# Altium PCB DeutschPCB.PcbDoc (part 1 of 2) (continued)
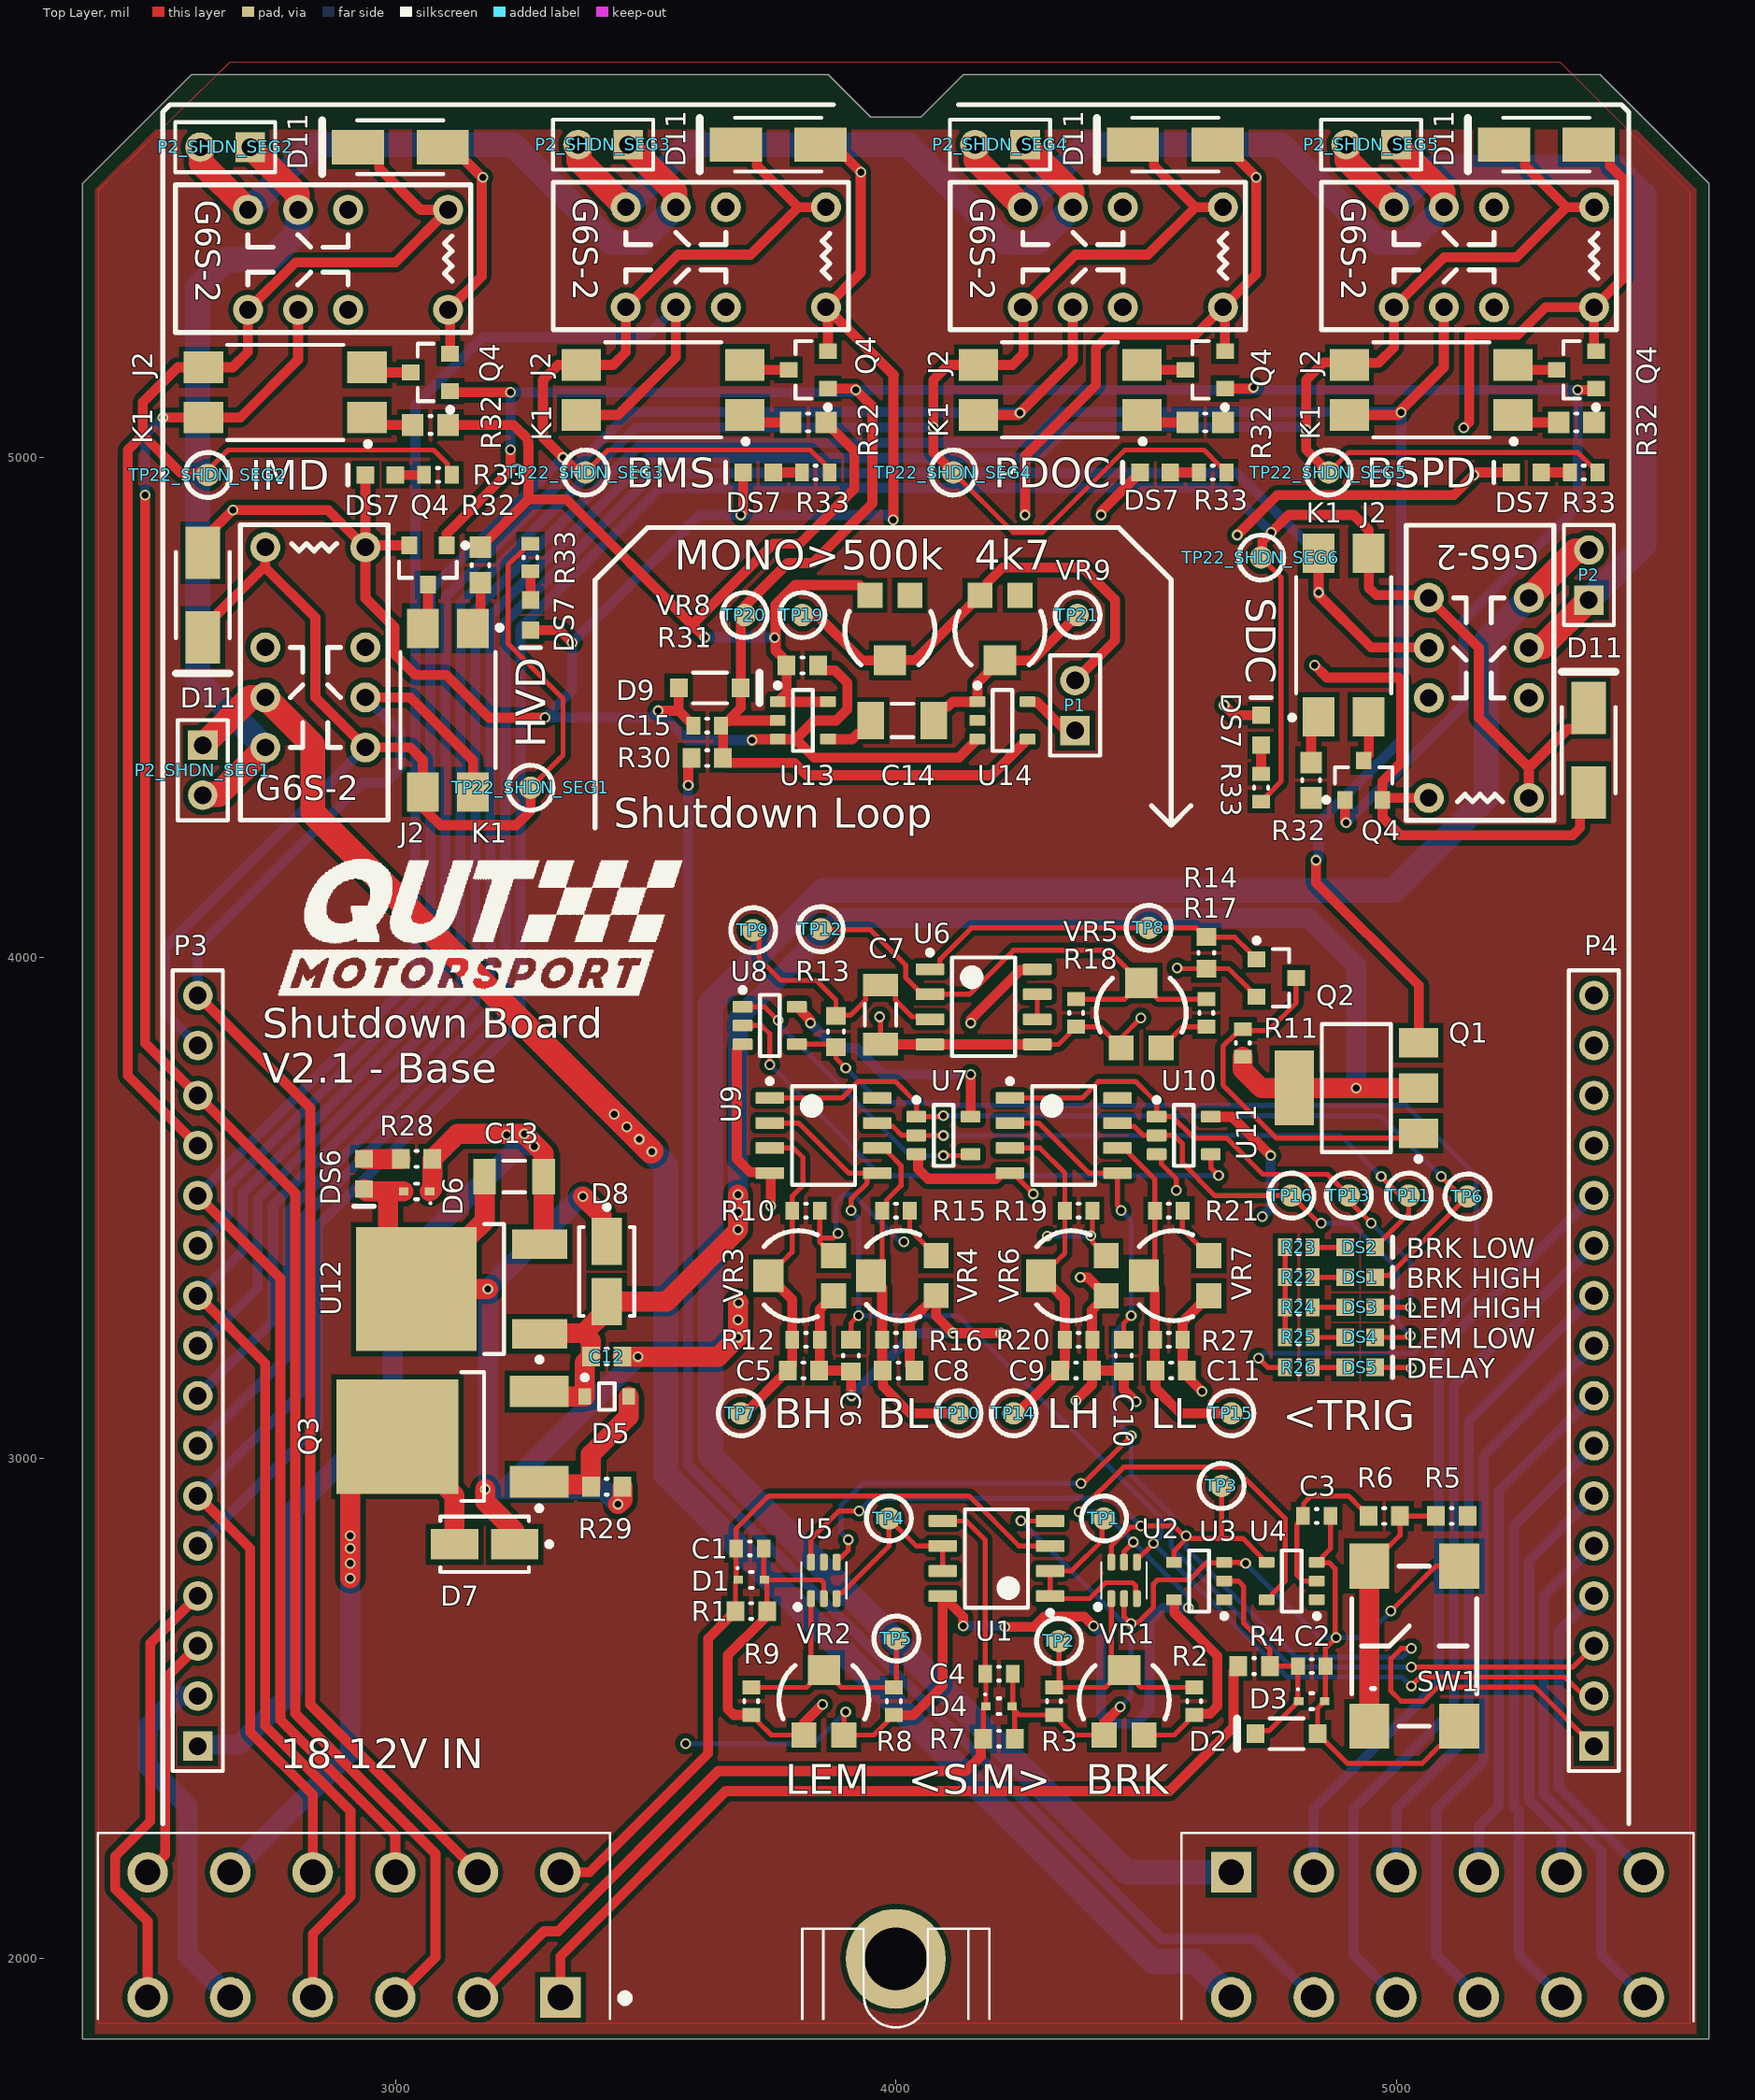
[diagram p0: Top Layer view]
## Components (designator, comment, footprint, x,y, rotation, side; value= is the part's Value field where it differs from the comment) (continued)
R33 "1K 5% 0603(1608)" RESC0603(1608)_L 4730,4340 r270 top value="1000.00 Ohm"
R33 "1K 5% 0603(1608)" RESC0603(1608)_L 5375,4970 r0 top value="1000.00 Ohm"
R33 "1K 5% 0603(1608)" RESC0603(1608)_L 4633.39,4970 r0 top value="1000.00 Ohm"
R33 "1K 5% 0603(1608)" RESC0603(1608)_L 3840,4970 r0 top value="1000.00 Ohm"
R33 "1K 5% 0603(1608)" RESC0603(1608)_L 3085,4965 r0 top value="1000.00 Ohm"
R33 "1K 5% 0603(1608)" RESC0603(1608)_L 3270,4800 r90 top value="1000.00 Ohm"
SW1 "Standard SMD BTN" StandardSMDBTN 5036.14,2624.76 r90 top
TP1 "TestPoint_SMD" TestPointSMD 4416.14,2879.76 r0 top
TP2 "TestPoint_SMD" TestPointSMD 4326.14,2634.76 r0 top
TP3 "TestPoint_SMD" TestPointSMD 4651.14,2944.76 r0 top
TP4 "TestPoint_SMD" TestPointSMD 3986.14,2879.76 r0 top
TP5 "TestPoint_SMD" TestPointSMD 4001.14,2639.76 r0 top
TP6 "TestPoint_SMD" TestPointSMD 5142.64,3523.29 r90 top
TP7 "TestPoint_SMD" TestPointSMD 3690.43,3090 r90 top
TP8 "TestPoint_SMD" TestPointSMD 4505.43,4060 r90 top
TP9 "TestPoint_SMD" TestPointSMD 3715,4055.31 r90 top
TP10 "TestPoint_SMD" TestPointSMD 4125.43,3090 r90 top
TP11 "TestPoint_SMD" TestPointSMD 5025,3525 r90 top
TP12 "TestPoint_SMD" TestPointSMD 3850,4057.29 r90 top
TP13 "TestPoint_SMD" TestPointSMD 4905.43,3525 r90 top
TP14 "TestPoint_SMD" TestPointSMD 4235.43,3090 r90 top
TP15 "TestPoint_SMD" TestPointSMD 4670.43,3090 r90 top
TP16 "TestPoint_SMD" TestPointSMD 4790.43,3525 r90 top
TP19 "TestPoint_SMD" TestPointSMD 3813.07,4685 r0 top
TP20 "TestPoint_SMD" TestPointSMD 3698.07,4685 r0 top
TP21 "TestPoint_SMD" TestPointSMD 4363.07,4685 r0 top
TP22_SHDN_SEG1 "TestPoint_SMD" TestPointSMD 3270,4340 r180 top (schematic designator TP22)
TP22_SHDN_SEG2 "TestPoint_SMD" TestPointSMD 2625,4965 r90 top (schematic designator TP22)
TP22_SHDN_SEG3 "TestPoint_SMD" TestPointSMD 3380,4970 r90 top (schematic designator TP22)
TP22_SHDN_SEG4 "TestPoint_SMD" TestPointSMD 4115,4970 r90 top (schematic designator TP22)
TP22_SHDN_SEG5 "TestPoint_SMD" TestPointSMD 4865.12,4970 r90 top (schematic designator TP22)
TP22_SHDN_SEG6 "TestPoint_SMD" TestPointSMD 4730,4800 r0 top (schematic designator TP22)
U1 "LM358AM" D0008A_N 4201.14,2799.76 r180 top
U2 "NC7SZ157P6X" FAIR-SC70-6_V 4430.55,2719.76 r0 top
U3 "SN74LVC1G17DBVR" DBV0005A_L 4606.14,2754.76 r180 top
U4 "SN74AHC1G14DBVR" DBV0005A_L 4791.14,2754.76 r180 top
U5 "NC7SZ157P6X" FAIR-SC70-6_V 3830.55,2719.76 r0 top
U6 "LM358AM" D0008A_N 4175.43,3902.24 r0 top
U7 "SN74AHC1G08DBVR" DBV0005A_N 4095.43,3645.2 r0 top
U8 "SN74AHC1G08DBVR" DBV0005A_N 3748.15,3864.84 r0 top
U9 "LM358AM" D0008A_N 3855.43,3645.1 r0 top
U10 "LM358AM" D0008A_N 4335.43,3645.1 r0 top
U11 "SN74AHC1G08DBVR" DBV0005A_N 4575.43,3645.2 r0 top
U12 "L78M05CDT" STM-TO252-3_A_V 3132.4,3338.29 r180 top
U13 "SN74AHC1G02DBVR" DBV0005A_L 3814.25,4474.37 r0 top
U14 "SN74AHC1G02DBVR" DBV0005A_L 4213.27,4474.37 r0 top
VR1 "4.7k Variable Resistor" VG039NCHXTB472 4456.34,2517.16 r0 top
VR2 "4.7k Variable Resistor" VG039NCHXTB472 3856.34,2517.16 r0 top
VR3 "4.7k Variable Resistor" VG039NCHXTB472 3805.43,3364.94 r90 top
VR4 "4.7k Variable Resistor" VG039NCHXTB472 4010.43,3365.1 r90 top
VR5 "4.7k Variable Resistor" VG039NCHXTB472 4490.43,3890 r0 top
VR6 "4.7k Variable Resistor" VG039NCHXTB472 4350.43,3364.94 r90 top
VR7 "4.7k Variable Resistor" VG039NCHXTB472 4555.43,3364.94 r90 top
VR8 "500k Variable Resistor" VG039NCHXTB472 3988.27,4654.37 r180 top
VR9 "4.7k Variable Resistor" VG039NCHXTB472 4208.27,4654.37 r180 top

## Footprints (in the part's own frame and the unit in brackets; to place one, negate y for a bottom-side part, rotate by r counter-clockwise, add the part's x,y. Pads: shape width x height; smd on the part's side, far side on the other; paste and mask are expansions set on the pad)
CAPC0603(1608)100_L [mm] "Chip Capacitor, Body 1.6x0.8mm, Height 1.0mm, IPC High Density"
  rect 0.7x0.9 smd: 1(-0.7,0) 2(0.7,0)
  silkscreen extent -0.05,-0.35 0.05,0.35, body extent -0.87,-0.47 0.88,0.48, height 1
CAPC0603(1608)100_N [mm] "Chip Capacitor, Body 1.6x0.8mm, Height 1.0mm, IPC Medium Density"
  rect 0.9x1 smd: 1(-0.8,0) 2(0.8,0)
  silkscreen extent -0.05,-0.4 0.05,0.4, body extent -0.87,-0.48 0.88,0.47, height 1
CAPC1206(3216)190_M [mm] "Chip Capacitor, Body 3.2x1.6mm, Height 1.9mm, IPC Low Density"
  rect 1.35x1.9 smd: 1(-1.6,0) 2(1.6,0)
  silkscreen extent -0.55,-0.85 0.55,0.85, body extent -1.7,-0.9 1.7,0.9, height 1.9
CAPC1206(3216)190_N [mm] "Chip Capacitor, Body 3.2x1.6mm, Height 1.9mm, IPC Medium Density"
  rect 1.15x1.8 smd: 1(-1.5,0) 2(1.5,0)
  silkscreen extent -0.55,-0.8 0.55,0.8, body extent -1.7,-0.9 1.7,0.9, height 1.9
D0008A_N [mm] "SOIC, 8-Leads, Body 5x4mm, Pitch 1.27mm, IPC Medium Density"
  rrect17% 1.45x0.6 smd: 1(-2.725,1.905) 2(-2.725,0.635) 3(-2.725,-0.635) 4(-2.725,-1.905) 5(2.725,-1.905) 6(2.725,-0.635) 7(2.725,0.635) 8(2.725,1.905)
  silkscreen extent -2.85,-2.5 1.6,2.88, body extent -3,-2.45 3,2.45, height 1.63
DBV0005A_L [mm] "SOT23, 5-Leads, Body 3.05x1.75mm, Pitch 0.95mm, IPC High Density"
  rrect18% 0.8x0.55 smd: 1(-1.275,0.95) 2(-1.275,0) 3(-1.275,-0.95) 4(1.275,-0.95) 5(1.275,0.95)
  silkscreen extent -1.4,-1.55 0.5,1.9, body extent -1.42,-1.46 1.42,1.46, height 1.08
DBV0005A_N [mm] "SOT23, 5-Leads, Body 3.05x1.75mm, Pitch 0.95mm, IPC Medium Density"
  rrect17% 1x0.6 smd: 1(-1.375,0.95) 2(-1.375,0) 3(-1.375,-0.95) 4(1.375,-0.95) 5(1.375,0.95)
  silkscreen extent -1.5,-1.55 0.5,1.92, body extent -1.42,-1.46 1.42,1.46, height 1.08
DIOD-SOD123_V [mm] "SMD, 2-Leads, Body 2.7x1.55mm"
  rect 0.9x0.95 smd: 1(-1.575,0) 2(1.575,0)
  silkscreen extent -0.86,-0.77 2.53,0.78, body extent -1.35,-0.77 1.35,0.77, height 1.41
FAIR-DO-214AC-2_V [mm] "DO-214, 2-Leads, Body 4.375x2.725mm"
  rect 2.65x1.75 smd: 1(-2.15,0) 2(2.15,0)
  silkscreen extent -2.19,-1.36 3.97,1.36, body extent -2.19,-1.36 2.19,1.36, height 2.5
FAIR-SC70-6_V [mm] "SC70, 6-Leads, Body 2x1.25mm, Pitch 0.65mm"
  rrect50% 0.4x0.85 smd: 1(0,0) 2(0.65,0) 3(1.3,0) 4(1.3,1.85) 5(0.65,1.85) 6(0,1.85)
  silkscreen extent -0.8,-0.55 1.8,1.85, body extent -0.43,-0.38 1.73,2.22, height 1.1
G6S-2 [mil]
  round 60 hole 35: 1(-250,-100) 3(-50,-100) 4(50,-100) 5(150,-100) 8(150,100) 9(50,100) 10(-50,100) 12(-250,100)
  silkscreen extent -295,-150 295,145, body extent -291,-145 291,142, height 362
HDR1X2 [mm] "Connector; Header; 2 Position"
  rect 1.5x1.5 hole 0.9: 1(0,0)
  round 1.5 hole 0.9: 2(2.54,0)
  silkscreen extent -1.27,-1.27 3.81,1.27
HDR1X16 [mm] "Connector; Header; 16 Position"
  rect 1.5x1.5 hole 0.9: 1(0,0)
  round 1.5 hole 0.9: 2(2.54,0) 3(5.08,0) 4(7.62,0) 5(10.16,0) 6(12.7,0) 7(15.24,0) 8(17.78,0) 9(20.32,0) 10(22.86,0) 11(25.4,0) 12(27.94,0) 13(30.48,0) 14(33.02,0) 15(35.56,0) 16(38.1,0)
  silkscreen extent -1.27,-1.27 39.37,1.27
"LED GREEN 0603" [mil]
  rect 35x35 smd: 1(-30,0) 2(30,0)
  silkscreen extent 65,-20 65,20, body extent -40,-20 40,20, height 30
"LED ORANGE 0603" [mil]
  rect 35x35 smd: 1(-30,0) 2(30,0)
  silkscreen extent 65,-20 65,20, body extent -40,-20 40,20, height 30
"LED RED 0603" [mil]
  rect 35x35 smd: 1(-30,0) 2(30,0)
  silkscreen extent 65,-20 65,20, body extent -40,-20 40,20, height 30
ONSC-DPAK-3-369C-01_V [mm] "DPAK, 3-Leads, Body 6.54x6.095mm, Pitch 2.29mm"
  rect 3x1.6 smd: 1(-4.4,2.29) 3(-4.4,-2.29)
  rect 6.2x5.8 smd: 4(2.8,0)
  silkscreen extent -4.53,-3.27 -0.45,3.76, body extent -1.6,-3.27 4.49,3.27, height 2.38
ONSC-SOD-323-2-477-02_V [mm] "SOD, 2-Leads, Body 1.7x1.25mm"
  rect 0.63x0.83 smd: 1(-1.115,0) 2(1.115,0)
  silkscreen extent -1.24,-0.68 0.4,1.09, body extent -0.85,-0.63 0.85,0.63, height 1.06
ONSC-SOD-523-2-502-01_V [mm] "SOD, 2-Leads, Body 1.2x0.8mm"
  rect 0.48x0.4 smd: 1(-0.66,0) 2(0.66,0)
  silkscreen extent -0.75,-0.4 0.07,0.65, body extent -0.6,-0.4 0.6,0.4, height 0.7
ONSC-SOT-23-3-318-08_V [mm] "SOT23, 3-Leads, Body 2.92x1.3mm, Pitch 0.95mm"
  rect 0.9x0.8 smd: 1(-1,0.95) 2(-1,-0.95) 3(1,0)
  silkscreen extent -1.12,-1.46 0.65,2.02, body extent -0.65,-1.46 0.65,1.46, height 1.11
ONSC-SOT-223-4-318E-04_V [mm] "SOT223, 4-Leads, Body 6.5x3.5mm, Pitch 2.3mm"
  rect 2x1.5 smd: 1(-3.15,2.3) 2(-3.15,0) 3(-3.15,-2.3)
  rect 2x3.8 smd: 4(3.15,0)
  silkscreen extent -3.27,-3.25 1.75,3.72, body extent -1.75,-3.25 1.75,3.25, height 1.75
PNSC-DIP4(SMT)_V [mm] "DIP(SMT), 4-Leads, Body 6.4x4.78mm, Pitch 2.54mm"
  rect 2x1.6 smd: 1(-4.15,1.27) 2(-4.15,-1.27) 3(4.15,-1.27) 4(4.15,1.27)
  silkscreen extent -4.31,-2.42 2.95,2.74, body extent -3.22,-2.41 3.22,2.41, height 3
RESC0603(1608)_L [mm]
  rect 0.7x0.9 smd: 1(-0.7,0) 2(0.7,0)
  silkscreen extent -0.05,-0.35 0.05,0.35, body extent -0.85,-0.47 0.85,0.47, height 0.6
RESC0603(1608)_M [mm] "Chip Resistor, Body 1.6x0.8mm, IPC Low Density"
  rect 1.1x1.1 smd: 1(-0.9,0) 2(0.9,0)
  silkscreen extent -0.05,-0.45 0.05,0.45, body extent -0.85,-0.47 0.85,0.47, height 0.6
RESC0603(1608)_N [mm] "Chip Resistor, Body 1.6x0.8mm, IPC Medium Density"
  rect 0.9x1 smd: 1(-0.8,0) 2(0.8,0)
  silkscreen extent -0.05,-0.4 0.05,0.4, body extent -0.85,-0.47 0.85,0.47, height 0.6
StandardSMDBTN [mil] "https://lcsc.com/product-detail/Tactile-Switches_BRIGHT-TSA063G50-250_C294565.html"
  rect 90x80 smd: 1(-160,90) 2(160,90) 3(-160,-90) 4(160,-90)
  silkscreen extent -160,-125 160,125, body extent -120,-120 120,120, height 205
STM-TO252-3_A_V [mm] "D-PAK, 3-Leads, Body 6.20x6.60mm, Pitch 2.28mm"
  rect 2.8x1.5 smd: 1(-3.95,2.28) 3(-3.95,-2.28)
  rect 6.1x6.3 smd: 4(2.3,0)
  silkscreen extent -4.08,-3.3 -1.15,3.7, body extent -3.37,-3.3 6.35,3.3, height 2.43
TestPointSMD [mil]
  round 45 smd: 1(0,0)
  silkscreen extent -45,-45 45,45
VG039NCHXTB472 [mil] "VG039NCHXTB472"
  rect 50x50 smd: 1(40,-70) 3(-40,-70)
  rect 65x60 smd: 2(0,60)
  silkscreen extent -90,-38 90,69, body extent -60,-75 60,75, height 50
VISH-DO-214AC-2_N [mm] "DO-214AC, 2-Leads, Body 4.5x2.79mm, IPC Medium Density"
  rect 2.4x1.55 smd: 1(-1.525,0) 2(1.525,0)
  silkscreen extent -3.4,-1.4 2.25,1.4, body extent -2.25,-1.4 2.25,1.39, height 2.29

## Part data
C1 C2 C3 C4 C5 C6 C8 C9 C10 C11 C12 C15: library part CMP-1035-02591-1, "CAP 100nF 50V ±5% 0603 (1608 Metric) Thickness 1mm SMD", Case-EIA=0603, Case-Metric=1608, Rated Voltage="50 V", Tolerance=±5%, Max Thickness="1 mm", Technology=SMT
C7 C13 C14: library part CMP-1037-04982-1, "CAP 10uF 50V ±10% 1206 (3216 Metric) Thickness 1.9mm SMD", Case-EIA=1206, Case-Metric=3216, Rated Voltage="50 V", Tolerance=±10%, Max Thickness="1.9 mm", Technology=SMT
D1 D3 D4 D6: library part CMP-1063-00102-1, "Transient Voltage Suppressor, Micro-Packaged Diode for ESD Protection, 2-Pin SOD-523, Pb-Free, Tape and Reel", Manufacturer="On Semiconductor", ComponentLink1Description="Manufacturer URL", ComponentLink1URL=http://www.onsemi.com/, ComponentLink2Description=Datasheet, ComponentLink2URL=http://www.onsemi.cn/pub_link/Collateral/ESD5Z2.5T1-D.PDF, ComponentLink3Description="Package Specification", ComponentLink3URL=http://www.onsemi.com/pub_link/Collateral/502-01.PDF, DatasheetVersion="Rev. 10", Direction=Unidirectional, IR Max (uA)=0.05, Mounting Technology="Surface Mount", Number of Lines=1, PackageDescription="2-Pin SOD, Body 1.2 x 0.8 mm", PackageReference=SOD-523-2-502-01, PackageVersion="Rev. E, 09/2010", Packing="Tape and Reel", PartNumber=ESD5Z5.0T1G, PPK Max (W)=174, RoHS=Pb-Free, V(BR) Min (V)=6.2, VRWM Max (V)=5
D2 D9: library part CMP-2000-05976-1, "Surface Mount Zener Diode, 5.1 V, -65 to 150 degC, 2-Pin SMD (SOD-123), RoHS, Tape and Reel", Ir - Reverse Current=2uA, Manufacturer=DiodesIncorporated, Maximum Operating Temperature=+150C, Minimum Operating Temperature=-65C, Package / Case=SOD-123, Package Description="2-Pin Surface Mount Device, Body 2.7 x 1.55 mm", Package Reference=SOD123, Pd - Power Dissipation=500mW, Voltage Temperature Coefficient=-0.75mV/C, Voltage Tolerance=6%, Vz - Zener Voltage=5.1V, Zener Current=5mA, Brand=DiodesIncorporated, Configuration=Single, Datasheet URL=http://www.diodes.com/_files/datasheets/ds18004.pdf, Datasheet Version="Rev. 37-2, 09/2012", Factory Pack Quantity=3000, Height=1.35mm, Length=2.85mm, Manufacturer URL=http://www.diodes.com/, Mounting Style=SMD/SMT, Mounting Technology=SurfaceMount, Packaging=Reel, Product Category=ZenerDiodes, RoHS=True, Series=BZT52C5, Termination Style=SMD/SMT, Unit Weight=0.000353oz, Width=1.7mm, Zz - Zener Impedance=60Ohms
D5: library part CMP-1060-00715-1, "Zener Voltage Regulator, 300 mW, 2-Pin SOD-323, Pb-Free, Tape and Reel", Manufacturer="On Semiconductor", ComponentLink1Description="Manufacturer URL", ComponentLink1URL=http://www.onsemi.com/, ComponentLink2Description=Datasheet, ComponentLink2URL=http://www.onsemi.cn/pub_link/Collateral/MM3Z2V4T1-D.PDF, ComponentLink3Description="Package Specification", ComponentLink3URL=http://www.onsemi.com/pub_link/Collateral/477-02.PDF.1, DatasheetVersion="Rev. 9", Mounting Technology="Surface Mount", PackageDescription="2-Pin SOD, Body 1.7 x 1.25 mm", PackageReference=SOD-323-2-477-02, PackageVersion="Rev. H, 03/2007", Packing="Tape and Reel", PartNumber=MM3Z10VT1G, P Max (W)=0.3, RoHS=Pb-Free, VZ Typ (V)=10
D7 D8: library part CMP-0548-00180-2, "Transient Voltage Suppressor, 6.40 to 231 V, 18 V Stand-off Voltage, Bi-Directional, -55 to 155 degC, 2-pin DO-214AC, Pb-Free, Tape and Reel", Manufacturer="Vishay Semiconductor", Operating Junction and Storage Temperature Range="-55 to 150 degC", ComponentLink1Description="Manufacturer URL", ComponentLink1URL=http://www.vishay.com/, ComponentLink2Description=Datasheet, ComponentLink2URL=http://www.vishay.com/docs/88390/smaj50a.pdf, ComponentLink3Description="Package Specification", ComponentLink3URL=http://www.vishay.com/docs/88390/smaj50a.pdf, DatasheetVersion=12/8/2013, ID (uA)=2, IFSM="40 A", Mounting Technology="Surface Mount", PackageDescription="2-Pin DO-214AC (SMA), Body 4.245 x 2.665 mm", PackageReference=DO-214AC-2, Packing="Tape and Reel", PartNumber=SMAJ18CA-E3/61, PPPM (W)="400, 300", RoHS=TRUE, VBR Bi-Directional (V)="6.4 to 231", VWM (V)=18
D11 D11 D11 D11 D11 D11: library part CMP-2000-04942-2, "General Purpose Rectifier, 1 A, 1000 V, -55 to 150 degC, 2-Pin DO-214AC, RoHS, Tape and Reel", Alternate Case Style=DO-214AC, Current If @ Vf=1A, Current Ifsm=30A, Forward Voltage=1V, Junction Temperature Tj Max=150degC, Manufacturer=Fairchild, Operating Temperature Min=-55degC, Operating Temperature Range=-55degCto+150degC, Package / Case=SMA, Package Description="2-Pin Surface Mount Device, Body 4.375 x 2.725 mm", Package Reference=DO-214AC-2, Repetitive Reverse Voltage Vrrm Max=1kV, Datasheet URL=https://datasheet.ciiva.com/4452/s1m-191340-4452980.pdf, Datasheet Version="Rev. 1.1.2, 10/2013", Diode Case Style=DO-214AC, Diode Configuration=Single, Diode Polarity=Cathode, Diode Type=StandardRecovery, External Depth=2.79mm, External Length / Height=2.44mm, External Width=5.28mm, Forward Current If(AV)=1A, Forward Surge Current Ifsm Max=30A, Forward Voltage VF Max=1V, Manufacturer URL=https://www.fairchildsemi.com/, No. of Pins=2, Operating Temperature Max=150degC, Package URL=https://www.fairchildsemi.com/package-drawings/DO/DO214AC.pdf, Reel Quantity=7500, Reverse Recovery Time trr Max=1.8µs, Reverse Recovery Time trr Typ=1.8µs, SMD Marking=1M, SVHC=NoSVHC(19-Dec-2012), Tape Width=12mm, Termination Type=SMD
DS1 DS2 DS3 DS4 DS5: library part "LED RED 0603"
DS6: library part "LED GREEN 0603"
DS7 DS7 DS7 DS7 DS7 DS7: library part "LED ORANGE 0603"
J2 J2 J2 J2 J2 J2: "Telecom Non Latching 12VDC DPDT 2A Through Hole Relays RoHS", ComponentLink1Description=LCSC, ComponentLink1URL=https://lcsc.com/product-detail/Relays_OMRON_G6S-2-12V_G6S-2-12V_C28410.html
K1 K1 K1 K1 K1 K1: library part CMP-1346-00006-1, "PhotoMOS GE 1 Form A, 60 V Load Voltage, 0.55 A Continuous Load Current, -40 to 85 degC, 4-Pin DIP(SMT), Tube, RoHS", Continuous Load Current="0.55 A", Load Voltage="60 V", Manufacturer=Panasonic, On Resistance (Typ)="0.85 Ohm", ComponentLink1Description="Manufacturer URL", ComponentLink1URL=http://www3.panasonic.biz/ac/ae/index.jsp, ComponentLink2Description=Datasheet, ComponentLink2URL=http://www3.panasonic.biz/ac/e_download/control/relay/photomos/catalog/semi_eng_ge1a_aqy21_e.pdf, ComponentLink3Description="Package Specification", ComponentLink3URL=http://www3.panasonic.biz/ac/e_download/control/relay/photomos/catalog/semi_eng_dimensions.pdf?f_cd=401560, DatasheetVersion=201404-T, Mounting Technology="Surface Mount", PackageDescription="4-Pin Surface Mount Terminal Package, Body 4.78 x 6.4 mm, Pitch 2.54mm", PackageReference=DIP4(SMT), PackageVersion="ASCTB67E, 04/2014", Packing=Tube, PartNumber=AQY212EHA, Pb-Free=True, RoHS=True, Series="PhotoMOS GE 1 Form A"
P1 P2 P2_SHDN_SEG1 P2_SHDN_SEG2 P2_SHDN_SEG3 P2_SHDN_SEG4 P2_SHDN_SEG5: "Header, 2-Pin", LatestRevisionDate=17-Jul-2002, LatestRevisionNote="Re-released for DXP Platform.", Publisher="Altium Limited"
P3 P4: "Header, 16-Pin", LatestRevisionDate=17-Jul-2002, LatestRevisionNote="Re-released for DXP Platform.", Publisher="Altium Limited"
Q1: library part CMP-1058-00728-1, "Power MOSFET, -60 V, -2.6 A, Single P-Channel, 4-Pin SOT-223, Pb-Free, Tape and Reel", Manufacturer="On Semiconductor", Package Type="SOT-223-4 / TO-261-4", Channel Polarity="P Channel", Ciss Typ (pF)=492, ComponentLink1Description="Manufacturer URL", ComponentLink1URL=http://www.onsemi.com/, ComponentLink2Description=Datasheet, ComponentLink2URL=http://www.onsemi.com/pub_link/Collateral/NTF2955-D.PDF, ComponentLink3Description="Package Specification", ComponentLink3URL=http://www.onsemi.com/pub_link/Collateral/318E-04.PDF, Configuration=Single, Coss Typ (pF)=165, Crss Typ (pF)=50, DatasheetVersion="Rev. 6", ID Max (A)=2.6, Mounting Technology="Surface Mount", PackageDescription="4-Pin Small Outline Transistor, Body 6.5 x 3.5 mm, Pitch 2.3 mm", PackageReference=SOT-223-4-318E-04, PackageVersion="Rev. N, 08/2009", Packing="Tape and Reel", PartNumber=NTF2955T1G, Qrr Typ (nC)=0.139, RoHS=Pb-Free, V(BR)DSS Min (V)=60, VGS(th) Max (V)=4, VGS Max (V)=20
Q2 Q4 Q4 Q4 Q4 Q4 Q4: library part CMP-1058-00774-1, "Power MOSFET, 60 V, 155 mOhm, Single N-Channel Logic Level, 3-Pin SOT-23, Pb-Free, Tape and Reel", Manufacturer="On Semiconductor", Package Type=SOT-23-3, Channel Polarity="N Channel", Ciss Typ (pF)=182, ComponentLink1Description="Manufacturer URL", ComponentLink1URL=http://www.onsemi.com/, ComponentLink2Description=Datasheet, ComponentLink2URL=http://www.onsemi.com/pub_link/Collateral/NVR5198NL-D.PDF, ComponentLink3Description="Package Specification", ComponentLink3URL=http://www.onsemi.cn/pub_link/Collateral/318-08.PDF, Configuration=Single, Coss Typ (pF)=25, Crss Typ (pF)=16, DatasheetVersion="Rev. 1", ID Max (A)=2.2, Mounting Technology="Surface Mount", PackageDescription="3-Pin Small Outline Transistor, Body 2.92 x 1.3 mm, Pitch 0.95 mm", PackageReference=SOT-23-3-318-08, PackageVersion="Rev. AP, 11/2009", Packing="Tape and Reel", PartNumber=NVR5198NLT1G, Qrr Typ (nC)=6, RoHS=Pb-Free, V(BR)DSS Min (V)=60, VGS(th) Max (V)=2.5, VGS Max (V)=20
Q3: library part CMP-1058-00390-1, "Power MOSFET, -60 V, -12 A, P-Channel, 3-Pin DPAK, Pb-Free, Tape and Reel", Manufacturer="On Semiconductor", Package Type="DPAK-3, IPAK-4", PartNumber=NTD2955T4G, Channel Polarity="P Channel", Ciss Typ (pF)=500, ComponentLink1Description="Manufacturer URL", ComponentLink1URL=http://www.onsemi.com/, ComponentLink2Description=Datasheet, ComponentLink2URL=http://www.onsemi.cn/pub_link/Collateral/NTD2955-D.PDF, ComponentLink3Description="Package Specification", ComponentLink3URL=http://www.onsemi.cn/pub_link/Collateral/369C.PDF, Configuration=Single, Coss Typ (pF)=150, Crss Typ (pF)=50, DatasheetVersion="Rev. 13", ID Max (A)=12, Mounting Technology="Surface Mount", PackageDescription="3-Pin Flange Mount, Body 6.54 x 6.095 mm, Pitch 2.29 mm", PackageReference=DPAK-3-369C-01, PackageVersion="Rev. E, 02/2014", Packing="Tape and Reel", PD Max (W)=55, Qrr Typ (nC)=100, RoHS=Pb-Free, V(BR)DSS Min (V)=60, VGS(th) Max (V)=4, VGS Max (V)=20
R1 R5 R6 R7 R14 R31: library part CMP-1012-00090-1, "4K7 0.1W 5% 0603 (1608 Metric)  SMD", Case-EIA=0603, Case-Metric=1608, Power="0.1 W", Tolerance="5 %", Technology=SMT
R2 R3 R8 R9 R10 R12 R15 R16 R17 R18 R19 R20 R21 R27: library part CMP-1591-00001-1, "0603 (1608 Metric) Chip Resistor", Case-EIA=0603, Case-Metric=1608, PackageReference=RESC0603(1608)
R4 R30: library part CMP-1012-00098-1, "10K 0.1W 5% 0603 (1608 Metric)  SMD", Case-EIA=0603, Case-Metric=1608, Power="0.1 W", Tolerance="5 %", Technology=SMT
R11 R22 R23 R24 R25 R26 R28 R33 R33 R33 R33 R33 R33: library part CMP-1012-00074-1, "1K 0.1W 5% 0603 (1608 Metric)  SMD", Case-EIA=0603, Case-Metric=1608, Power="0.1 W", Tolerance="5 %", Technology=SMT
R13: library part CMP-1012-00118-1, "68K 0.1W 5% 0603 (1608 Metric)  SMD", Case-EIA=0603, Case-Metric=1608, Power="0.1 W", Tolerance="5 %", Technology=SMT
R29: library part CMP-1012-00122-1, "100K 0.1W 5% 0603 (1608 Metric)  SMD", Case-EIA=0603, Case-Metric=1608, Power="0.1 W", Tolerance="5 %", Technology=SMT
R32 R32 R32 R32 R32 R32: library part CMP-1012-00084-1, "2K7 0.1W 5% 0603 (1608 Metric)  SMD", Case-EIA=0603, Case-Metric=1608, Power="0.1 W", Tolerance="5 %", Technology=SMT
SW1: "Cost common SMD button, 4 Lead", ComponentLink1Description=LCSC, ComponentLink1URL=https://lcsc.com/product-detail/Tactile-Switches_BRIGHT-TSA063G50-250_C294565.html
U1 U6 U9 U10: library part CMP-0055-00796-3, "Low Power Dual Operational Amplifier, 8-pin Narrow SOIC", Manufacturer="Texas Instruments", Package Reference=D0008A, PackageTopMarking=NSZXTT*LM*358AM, PowerWise=N, Code_IPC=SOIC127P600-8, Code_JEDEC=MS-012-AA, ComponentLink1Description="Datasheet URL", ComponentLink1URL=http://www.ti.com/general/docs/lit/getliterature.tsp?genericPartNumber=LM358-N&fileType=pdf, CompType=Amplifiers, PackageDescription="SOIC Narrow, 4.9 x 3.9 x 1.45mm, 8 Lead, 1.27mm Pitch", PinCount=8, RoHS=N
U2 U5: library part CMP-2000-06819-1, "Tinylogic(R) UHS 2-Input Non-Inverting Multiplexer, 1.65 to 5.5 V, -40 to 85 degC, 6-Pin SOT23 (SC70), RoHS, Tape and Reel", Manufacturer=FairchildSemiconductor, Maximum High Level Output Current=-32mA, Maximum Low Level Output Current=32mA, Maximum Operating Supply Voltage=5.5V, Minimum Operating Supply Voltage=1.65V, Package=6SC-70, Package Description="6-Pin Small Outline Transistor, Body 2 x 1.25 mm, Pitch 0.65 mm", Package Reference=SC70-6, Tolerant I/Os=5.5InputsV, Category=Multiplexer, Configuration=1x2:1, Datasheet URL=https://www.fairchildsemi.com/datasheets/NC/NC7SZ157.pdf, Datasheet Version=09/2009, Logic Family=TinyLogicUHS, Logic Function=Multiplexer, Manufacturer URL=https://www.fairchildsemi.com/, Maximum Propagation Delay Time @ Maximum CL=4.6@3.3V, Mounting Technology=SurfaceMount, Number of Inputs per Chip=2, Package URL=https://www.fairchildsemi.com/package-drawings/MA/MAA06A.pdf, Packaging=Tape&Reel, Rad Hard=No
U3: library part CMP-0859-00033-4, "Single Schmitt-Trigger Buffer, DBV0005A, LARGE T&R", F @ Nom Voltage(Max)(Mhz)=150, Generic Part Number=SN74LVC1G17, ICC @ Nom Voltage(Max)(mA)=0.01, Manufacturer="Texas Instruments", Operating Temperature Range(C)="-40 to 125,-40 to 85", Rating=Catalog, tpd @ Nom Voltage(Max)(ns)=11,6.5,5.5,5, Voltage(Nom)(V)=1.8,2.5,3.3,5, 3-State Output=No, Bits(#)=1, DatasheetVersion=SCES351V, Input Type=CMOS/TTL, Logic=True, Output Drive (IOL/IOH)(Max)(mA)=32/-32, Output Type=CMOS, PackageReference=DBV0005A, Schmitt Trigger=Yes, Sub-Family="Non-Inverting Buffer/Driver", Technology Family=LVC, VCC(Max)(V)=5.5, VCC(Min)(V)=1.65
U4: library part CMP-2000-07131-1, "Single Schmitt-Trigger Inverter Gate, 10.6 ns max, 2 to 5.5 V, -40 to 125 degC, 5-Pin SOT23 (DBV), Green (RoHS & no Sb/Br), Tape and Reel", Logic Case Style=SOT-23, Manufacturer="Texas Instruments", Operating Temperature Max=85°C, Operating Temperature Min=-40°C, Operating Temperature Range=-40°Cto+85°C, Output Current=8mA, Package Description="5-Pin Small Outline Transistor, Body 2.9 x 1.6 mm, Pitch 0.95 mm", Package Reference=DBV0005A, Supply Voltage=5.5V, Supply Voltage Min=2V, Supply Voltage Range=2Vto5.5V, Base Number=74, Datasheet URL=http://www.ti.com/lit/ds/symlink/sn74ahc1g14.pdf, Datasheet Version="Rev. Q, 09/2015", IC Generic Number=74AHC1G14, Logic Function Number=741G14, Logic IC Base Number=74114, Logic IC Family=AHC, Logic IC Function=SingleInverterwithSchmittTrigger, Logic Type=Inverter, Manufacturer URL=http://www.ti.com/, Mounting Technology=SurfaceMount, No. of Gates=1, No. of Inputs=1, No. of Pins=5, Output Current Max=8mA, Package / Case=SOT-23, Package URL=http://www.ti.com/lit/ml/mpds018l/mpds018l.pdf, Supply Voltage Max=5.5V, SVHC=NoSVHC(19-Dec-2012), Termination Type=SMD
U7 U8 U11: library part CMP-0859-00043-3, "Single 2-Input Positive-AND Gate, DBV0005A, LARGE T&R", F @ Nom Voltage(Max)(Mhz)=75, Generic Part Number=SN74AHC1G08, ICC @ Nom Voltage(Max)(mA)=0.01, Manufacturer="Texas Instruments", Operating Temperature Range(C)="-55 to 125", Rating=Catalog, tpd @ Nom Voltage(Max)(ns)=12.3,7.9, Voltage(Nom)(V)=3.3,5, 3-State Output=No, Bits(#)=1, DatasheetVersion=SCLS314N, Gate Type=AND, Input Type=CMOS, Logic=True, Output Drive (IOL/IOH)(Max)(mA)=50/-50, Output Type=CMOS, PackageReference=DBV0005A, Schmitt Trigger=No, Sub-Family="AND Gate", Technology Family=AHC, VCC(Max)(V)=5.5, VCC(Min)(V)=2
U12: library part CMP-2000-06530-1, "Precision Regulator, 0.5 A, 5 V Output, 0 to 150 degC, 3-Pin DPAK (TO252), RoHS, Tube", Input Voltage Max=35V, Input Voltage Min=10V, Linear Regulator Case Style=TO-252, Manufacturer=STMicroelectronics, Operating Temperature Max=150°C, Operating Temperature Min=0°C, Output Current=500mA, Output Voltage Nom.=5V, Package Description="3-Pin Transistor Outline, Body 6.5 x 6.1 mm, Pitch 2.28 mm", Package Reference=TO252, Datasheet URL=http://www.st.com/content/ccc/resource/technical/document/datasheet/d7/5f/dc/5c/d5/b6/48/7c/CD00000447.pdf/files/CD00000447.pdf/jcr:content/translations/en.CD00000447.pdf, Datasheet Version="Rev. 20, 06/2014", Manufacturer URL=http://www.st.com/, Mounting Technology=SurfaceMount, No. of Pins=3Pins, Packaging=Each, SVHC=NoSVHC(17-Dec-2015)
U13 U14: library part CMP-0859-00024-3, "Single 2-Input Positive-NOR Gate, DBV0005A, LARGE T&R", F @ Nom Voltage(Max)(Mhz)=75, Generic Part Number=SN74AHC1G02, ICC @ Nom Voltage(Max)(mA)=0.01, Manufacturer="Texas Instruments", Operating Temperature Range(C)="-40 to 125,-40 to 85", Rating=Catalog, tpd @ Nom Voltage(Max)(ns)=11.4,7.5, Voltage(Nom)(V)=3.3,5, 3-State Output=No, Bits(#)=1, DatasheetVersion=SCLS342M, Gate Type=NOR, Input Type=CMOS, Logic=True, Output Drive (IOL/IOH)(Max)(mA)=50/-50, Output Type=CMOS, PackageReference=DBV0005A, Schmitt Trigger=No, Sub-Family="NAND Gate", Technology Family=AHC, VCC(Max)(V)=5.5, VCC(Min)(V)=2
VR1 VR2 VR3 VR4 VR5 VR6 VR7 VR9: "4k7 ±25% ±250 ppm/°C SMD Variable Resistors RoHS", ComponentLink1Description=LCSC, ComponentLink1URL=https://lcsc.com/product-detail/Variable-Resistors_HDK-Hokuriku-Elec-Industry-VG039NCHXTB472_C128555.html
VR8: "500K ±25% ±250 ppm/°C SMD Variable Resistors RoHS", ComponentLink1Description=LCSC, ComponentLink1URL=https://lcsc.com/product-detail/Variable-Resistors_HDK-Hokuriku-Elec-Industry-VG039NCHXTB504_C128558.html

## Free pads (board coordinates)
  rect 80.94x80.94 hole 50.94: A1(3329.72,1922.83) B1(4670.28,2172.83)
  round 80.94 hole 50.94: A2(3164.76,1922.83) A3(2999.8,1922.83) A4(2834.84,1922.83) A5(2669.88,1922.83) A6(2504.92,1922.83) A7(2504.92,2172.83) A8(2669.88,2172.83) A9(2834.84,2172.83) A10(2999.8,2172.83) A11(3164.76,2172.83) A12(3329.72,2172.83) B2(4835.24,2172.83) B3(5000.2,2172.83) B4(5165.16,2172.83) B5(5330.12,2172.83) B6(5495.08,2172.83) B7(5495.08,1922.83) B8(5330.12,1922.83) B9(5165.16,1922.83) B10(5000.2,1922.83) B11(4835.24,1922.83) B12(4670.28,1922.83)
  round 200 hole 125: N/C(4000,2000)

## Via types
v1: diameter 21.65, hole 13.78, Top Layer to Bottom Layer, tented both sides, 125 vias

## Nets (pads, with @x,y where several pads share a name; then routed paths per layer and width w, separated by ;. In a path a pad name is that pad's centre, name@x,y a point inside that pad or via, vN(x,y) a via of type N, cw(c..) or ccw(c..) an arc to the next point about the centre after c; other vN are vias at no path point)
+5: C13.2 D6.1 P1.1 P3.1 R2.2 R5.2 R8.2 R10.2 R15.2 R17.2 R19.2 R21.2 R22.2 R23.2 R24.2 R25.2 R28.2 R31.2 R32.1 U1.8 U2.5 U3.5 U4.5 U5.5 U6.8 U7.5 U8.5 U9.8 U10.8 U11.5 U12.3 U13.1 U13.5 U14.5 VR1.1 VR2.1 VR3.1 VR4.1 VR5.1 VR6.1 VR7.1 VR8.1 | length 9610.1
  Top Layer w10: R10.2@3847.99,3495.1 3847.99,3440 ; VR3.1@3875.43,3404.94 3847.99,3432.38 3847.99,3440 ; v1(3884.5,3449.41) 3875.09,3440 3847.99,3440 ; v1(3900,2493.53) 3896.34,2489.86 VR2.1@3896.34,2447.16 3956.1,2447.16 3983.43,2474.49 3983.43,2478.42 R8.2@3992.2,2487.2 ; R15.2@4027.99,3495.1 4027.99,3457.54 VR4.1@4080.43,3405.1 ; v1(4366.27,2893.16) 4455.38,2982.26 4675.91,2982.26 4777.83,2880.34 4777.83,2754.25 4751.69,2728.11 4751.69,2723.19 4745.87,2717.36 U4.5@4740.94,2717.36 ; v1(4390,3445) v1@4392.99,3445 ; R19.2@4392.99,3495.1 v1@4392.99,3445 ; VR6.1@4420.43,3404.94 4392.99,3432.38 v1@4392.99,3445 ; U2.5@4456.14,2792.6 4456.14,2813.78 v1(4475,2832.64) ; VR1.1@4496.34,2447.16 4556.1,2447.16 4583.43,2474.49 4583.43,2478.42 4592.2,2487.2 R2.2@4596.14,2487.2 ; VR5.1@4530.43,3820 4572.87,3862.44 R17.2@4620.43,3862.44 ; R21.2@4572.99,3495.1 4572.99,3457.38 VR7.1@4625.43,3404.94 ; R25.2@4777.87,3241.69 R24.2@4777.87,3301.69 R22.2@4777.87,3361.73 4777.87,3421.65 R23.2@4777.83,3421.69
  Top Layer w20: R32.1@3105.43,5065 3236.24,5065 3265,5036.24 3265,5027.57 3265.93,5026.65 3265.93,4916.36 ; R32.1@3170,4820.43 3265.93,4916.36 ; v1(3618.19,4640.35) 3590,4668.54 ; U13.1@3764.06,4511.77 U13.1@3768.98,4511.77 ; U8.5@3802.28,3902.24 3810.16,3902.24 3811.97,3900.43 3811.97,3892.56 3828.84,3875.69 3828.84,3870.32 v1(3829.15,3870) ; R32.1@3860.43,5070 3917.4,5013.03 3917.4,4937.22 3807.74,4827.56 3755,4827.56 3595.98,4668.54 3590,4668.54 ; U13.5@3864.45,4511.77 U13.1@3768.98,4511.77 ; VR8.1@3948.27,4724.37 3927.64,4745 3798.94,4745 3760,4706.06 3760,4614.32 3774.06,4600.27 3774.06,4592.09 R31.2@3781.77,4584.37 3781.77,4529.49 3769.8,4517.52 3769.8,4512.6 U13.1@3768.98,4511.77 ; R8.2@3992.2,2487.2 3992.52,2486.89 4035,2486.89 4093.86,2545.75 U1.8@4093.86,2724.76 4135,2683.62 v1(4135,2665) ; U7.5@4149.57,3682.6 v1(4149.57,3766.73) ; v1(4150,3870) 4150,3876.85 4248.58,3975.43 4280.9,3975.43 U6.8@4282.72,3977.24 ; v1(4218.13,2663.02) 4275.58,2663.02 4296.23,2683.67 4376.33,2683.67 v1(4395,2665) ; U14.5@4263.46,4511.77 4281.85,4511.77 4339.25,4454.37 P1.1@4358.27,4454.37 ; U3.5@4555.94,2717.36 4556.26,2717.36 4557.09,2716.53 4557.09,2690.65 4642.66,2605.08 4642.66,2504.76 4627.58,2489.69 4598.62,2489.69 R2.2@4596.14,2487.2 ; U11.5@4629.57,3682.6 4671.5,3682.6 v1(4749.09,3605) ; 3265.93,4916.36 3342.18,4916.36 3590,4668.54
  Top Layer w40: P3.1@2605,2425 P3.1@2614.53,2434.53 ; D6.1@3068.38,3533.29 3073.89,3538.8 R28.2@3073.89,3598.29 3123.89,3648.29 v1(3257.56,3648.29) 3296.45,3609.39 C13.2@3296.45,3563.29 3296.45,3436.59 U12.3@3287.91,3428.05
  Bottom Layer w10: v1(3580,2430) 3836.47,2430 v1(3900,2493.53) ; v1(3884.5,3449.41) 3882.27,3451.64 3882.27,3459.2 3880.38,3461.09 3880.38,3510.11 3896.88,3526.61 3915.02,3526.61 3920.7,3520.92 3921.13,3520.92 3936.26,3505.8 3936.26,3505.37 4009.25,3432.38 v1(4016.44,3432.38) ; v1(4302.96,3443.84) 4388.84,3443.84 v1(4390,3445) ; v1(4366.27,2893.16) 4414.48,2893.16 v1(4475,2832.64) 4585,2722.64 v1(4585,2701.53)
  Bottom Layer w20: v1(3618.19,4640.35) 3757.56,4640.35 v1(3757.91,4640) ; v1(3829.15,3870) 3879.15,3820 3921.25,3820 3974.52,3766.73 v1(4149.57,3766.73) ; v1(4135,2665) 4216.15,2665 v1(4218.13,2663.02) ; v1(4395,2665) 4410,2650 4410,2486.15 4426.15,2470 4479.7,2470 4507.04,2497.34 4507.04,2675 4533.56,2701.53 v1(4585,2701.53) ; v1(4732.49,3482.83) 4749.09,3499.43 v1(4749.09,3605)
  Bottom Layer w40: P3.1@2602.5,2427.5 2687.5,2427.5 2795,2535 2795,2895 2995,3095 2995,3372.72 3247.28,3625 v1@3280,3625 ; v1(3222.79,3646.58) 3255.84,3646.58 v1(3257.56,3648.29)
  other v1: 3277.83,3623.29
+12: C12.2 D5.1 D8.2 Q1.2 Q1.4 Q3.3 R11.2 U12.1 | length 3213.9
  Top Layer w40: Q3.3@3287.91,3134.11 Q3.3@3287.4,3133.6 3297.56,3123.44 D5.1@3378.5,3123.44 3378.5,3190.89 C12.2@3390.9,3203.29 3390.9,3235.03 3375.91,3250.02 ; U12.1@3287.91,3248.52 3289.41,3250.02 3375.91,3250.02 ; v1(3685,3526.61) v1(3685,3491.61) v1(3685,3456.61) 3541.63,3313.25 D8.2@3422.4,3313.25 3422.4,3296.52 3375.91,3250.02 ; R11.2@4693.35,3802.44 4693.35,3776.85 4730.2,3740 Q1.4@4796.42,3740 v1(4920,3740) Q1.2@5044.45,3740
  Bottom Layer w40: v1(3685,3456.61) v1(3685,3491.61) v1(3685,3526.61) 3685,3879.29 3885.36,4079.64 4825.36,4079.64 4920,3985 v1(4920,3740)
BKR_PRS_ADJ_HIGH: C5.1 R10.1 R12.2 TP7.1 U9.3 VR3.2 | length 657.2
  Top Layer w10: VR3.2@3745.43,3364.94 3745.43,3367.44 3770.43,3392.44 3772.93,3392.44 3792.87,3412.38 R10.1@3792.87,3495.1 3792.87,3523.46 3814.51,3545.1 3814.51,3601.02 3795.43,3620.1 U9.3@3748.15,3620.1
  Top Layer w20: TP7.1@3690.43,3090 3695.22,3094.78 3703.15,3094.78 C5.1@3774.25,3165.89 ; VR3.2@3745.43,3364.94 3745.43,3362.44 3765.43,3342.44 3767.93,3342.44 3792.87,3317.5 R12.2@3792.87,3236.59 C5.1@3792.87,3186.48 ; C5.1@3783.94,3173.6 C5.1@3783.94,3175.57
BKR_PRS_ADJ_LOW: C8.1 R15.1 R16.2 TP10.1 U9.6 VR4.2 | length 713.8
  Top Layer w10: VR4.2@3950.43,3365.1 3972.87,3387.54 R15.1@3972.87,3495.1 3981.65,3503.88 3981.65,3516.2 4010.43,3544.98 4010.43,3585.1 3986.26,3609.27 3986.26,3613.29 3979.45,3620.1 U9.6@3962.72,3620.1
  Top Layer w20: VR4.2@3950.43,3365.1 3950.43,3362.6 3972.87,3340.16 R16.2@3972.87,3236.59 3972.87,3176.63 C8.1@3973.94,3175.57 3973.94,3144.49 4028.43,3090 TP10.1@4125.43,3090
BPSD_DELAY: C7.2 R13.2 TP9.1 U6.3 | length 536.2
  Top Layer w10: TP9.1@3715,4055.31 3726.95,4043.36 3726.95,3998.48 3770.43,3955 3841.34,3955 3880.43,3915.91 R13.2@3880.43,3884.53 3881.19,3885.28 3909.26,3885.28 3939.89,3915.91 3939.89,3927.91 3957.52,3945.55 C7.2@3969.53,3945.55 3981.53,3945.55 3999.17,3927.91 3999.17,3915.91 4032.8,3882.28 4063.11,3882.28 U6.3@4068.15,3877.24
BPSD_DELAY_RESISTOR: R13.1 R26.2 U8.4 | length 2260.7
  Top Layer w10: U8.4@3802.28,3827.44 3874.53,3827.44 R13.1@3880.43,3821.54 3880.43,3799.57 v1(3900,3780) ; v1(4725,3200) 4743.31,3181.69 R26.2@4777.87,3181.69
  Bottom Layer w10: v1(3900,3780) 3969.17,3710.83 4105.7,3710.83 4111.52,3705 5020,3705 5160,3565 5160,3335 5035,3210 4735,3210 v1(4725,3200)
BPSD_DELAY_RESISTOR_INDICATOR: DS5.1 R26.1 | length 65
  Top Layer w10: R26.1@4832.99,3181.69 DS5.1@4897.99,3181.69
BPSD_OP_UNUSED: U6.6 U6.7 | length 50
  Top Layer w10: U6.6@4282.72,3877.24 U6.7@4282.72,3927.24
BPSD_VREF: R17.1 R18.2 TP12.1 U6.2 VR5.2 | length 1065
  Top Layer w10: TP12.1@3845.43,4056.63 3948.37,4056.63 4020,3985 4020,3960 4044.61,3935.39 4044.61,3934.06 4051.42,3927.24 U6.2@4068.15,3927.24 4147.24,3927.24 4235,4015 4425.43,4015 4462.93,3977.5 4462.93,3975 VR5.2@4487.93,3950 ; R18.2@4360.43,3917.56 4457.08,3917.56 4462.93,3923.42 4462.93,3925 VR5.2@4487.93,3950 ; R17.1@4620.43,3917.56 4523.79,3917.56 4517.93,3923.42 4517.93,3925 4492.93,3950 VR5.2@4490.43,3950 VR5.2@4487.93,3950
BRK_PRS_IN: C6.1 P4.2 U2.4 U9.2 U9.5 | length 2518.4
  Top Layer w10: U9.2@3748.15,3670.1 3805.43,3670.1 3905.43,3570.1 U9.5@3949.33,3570.1 ; C6.1@3910.43,3236.59 3910.43,3270.1 v1(3925.43,3285.1) ; v1(3910.43,3495.1) 3910.43,3517.82 3942.52,3549.9 3942.52,3563.29 U9.5@3949.33,3570.1 ; U9.5@3962.72,3570.1 U9.5@3949.33,3570.1 ; U2.4@4481.73,2792.6 4481.73,2796.73 v1(4515,2830) ; v1(5030,2545) 5047.79,2562.79 5337.21,2562.79 5375,2525 P4.2@5395,2525
  Bottom Layer w10: v1(3910.43,3495.1) 3925.43,3480.1 v1(3925.43,3285.1) 4124.04,3285.1 4530,2879.14 4530,2845 v1(4515,2830) 4782.21,2562.79 5012.21,2562.79 v1(5030,2545)
BRK_PRS_IN_BUFFERED: TP1.1 U1.1 U1.2 U2.3 | length 439.9
  Top Layer w10: TP1.1@4416.14,2879.76 4412.13,2875.75 4412.13,2835.75 4351.14,2774.76 U1.2@4308.43,2774.76 U1.1@4308.43,2724.76 4313.43,2719.76 4387.04,2719.76 4418.77,2751.49 4473.16,2751.49 4479.02,2745.64 4479.02,2722.48 U2.3@4481.73,2719.76
BRK_PRS_IN_RAW: C1.1 D1.1 pad.A12 R1.2 U1.3 | length 1628.7
  Top Layer w10: R1.2@3679.65,2694.76 3679.65,2753.03 D1.1@3681.02,2754.41 ; U1.3@4308.43,2824.76 4246.14,2824.76 4146.14,2924.76 3746.14,2924.76 3681.02,2859.64 C1.1@3681.02,2819.76 ; D1.1@3681.02,2754.41 C1.1@3681.02,2819.76 ; D1.1@3681.02,2754.41 C1.1@3681.02,2819.76
  Top Layer w20: pad.A12@3329.72,2172.83 3387.83,2172.83 3625,2410 3625,2640.12 3669.96,2685.08 3671.93,2685.08 3679.65,2692.79 R1.2@3679.65,2694.76
BRK_PRS_OP: U7.4 U8.1 | length 584.5
  Top Layer w10: U8.1@3694.02,3902.24 3737.76,3902.24 v1(3765,3875) ; v1(4095,3605) 4146.77,3605 U7.4@4149.57,3607.8
  Bottom Layer w10: v1(3765,3875) 3764.14,3874.14 3764.14,3869.17 4028.32,3605 v1(4095,3605)